# Altium PCB DMB.PcbDoc (continued)
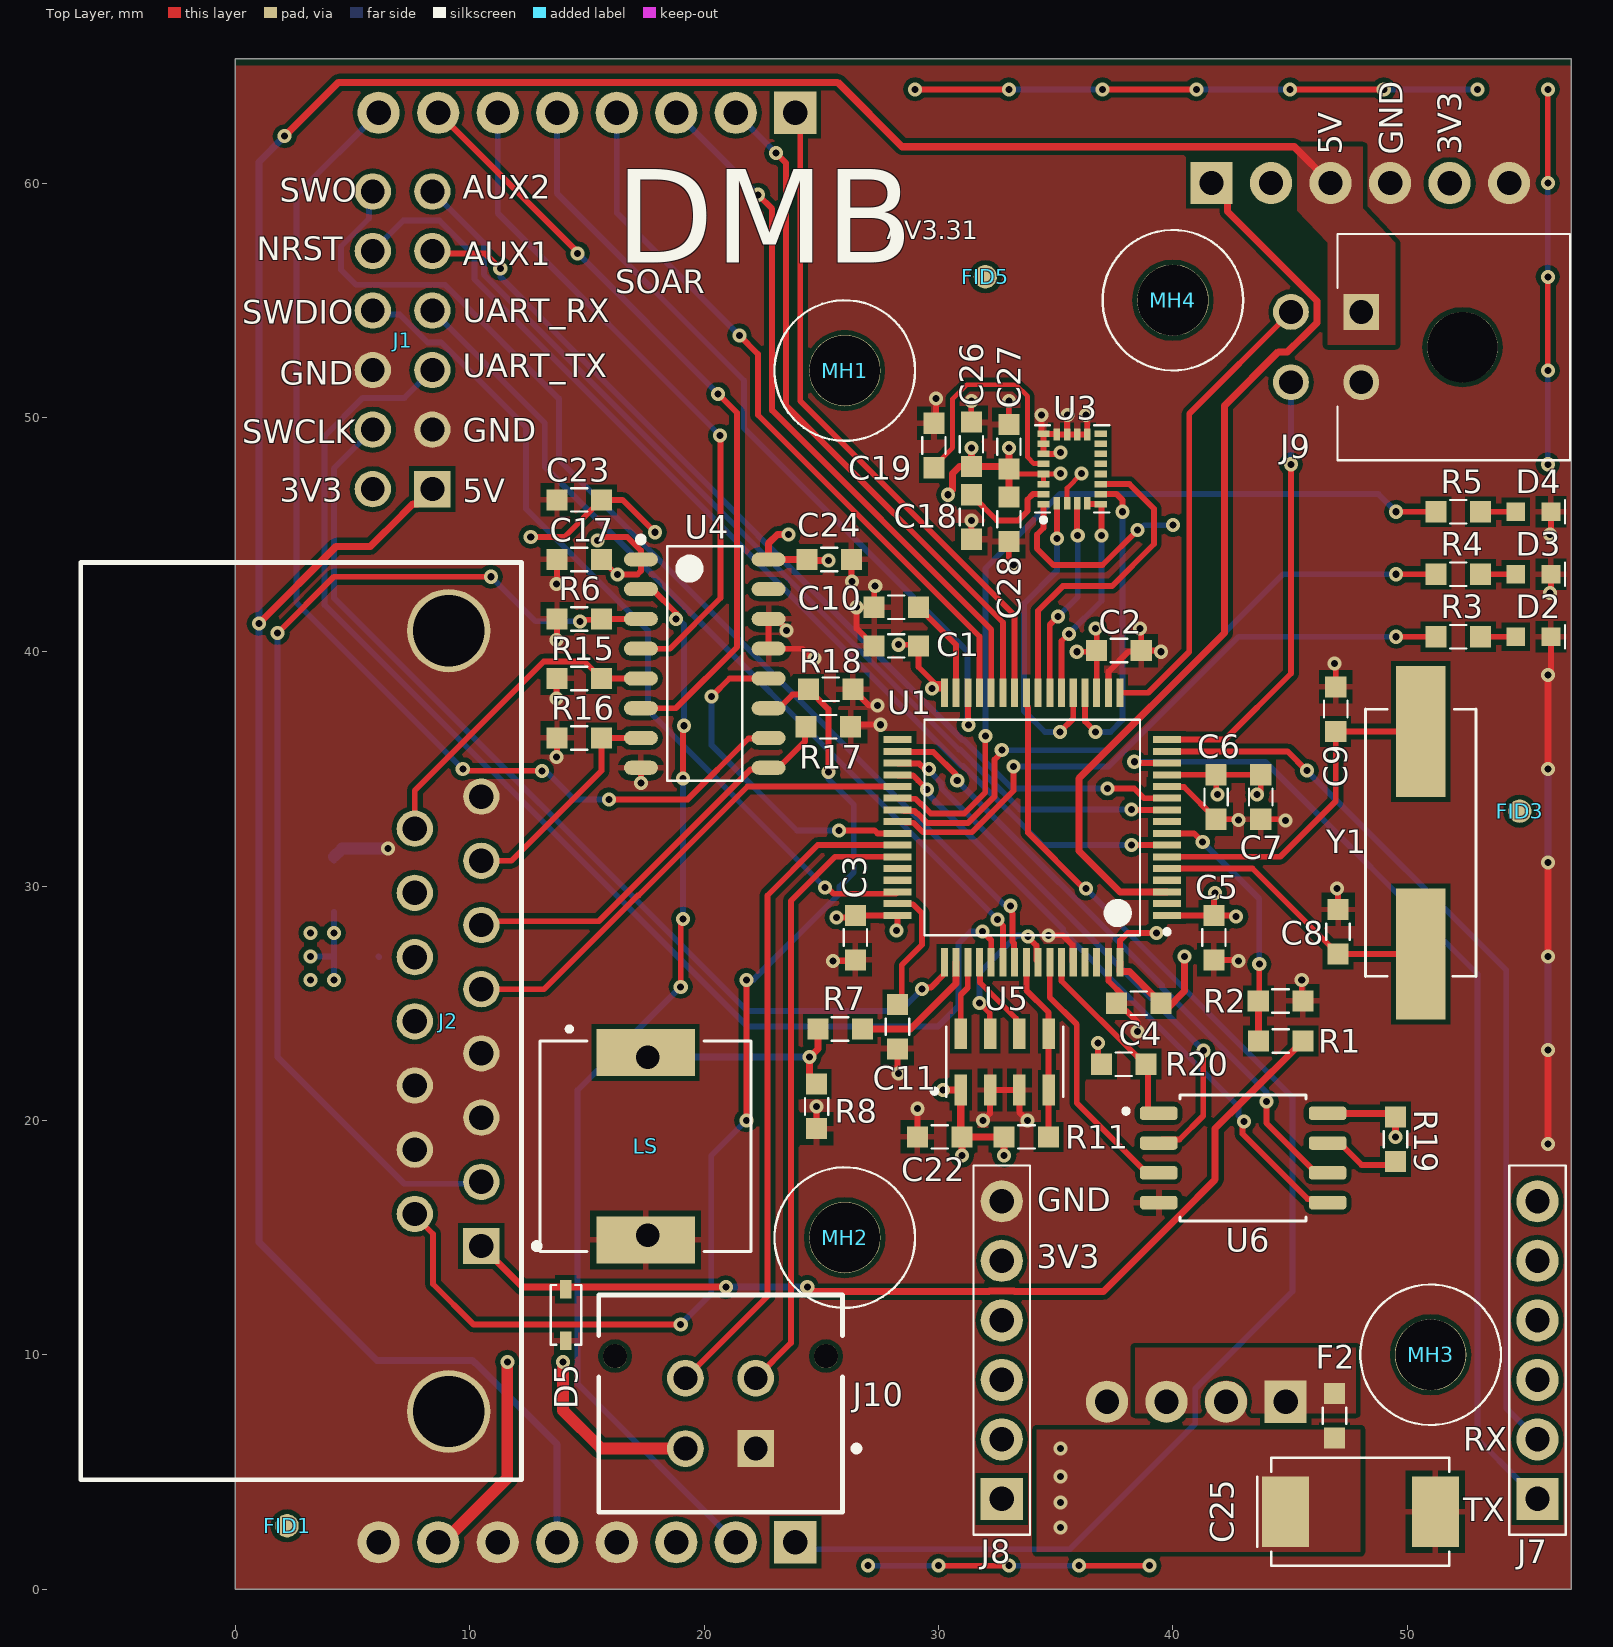
[diagram p0: Top Layer view]
## Part data (continued)
J10: "Checked Conn Header 4 POS 3mm Solder ST Thru-Hole 4 Terminal 1 Port Micro-Fit 3.0 Tray Headers and Wire Housings 0.735"
LS: "9 mm, 25 Vp-p Vdc, 65 dB, Surface Mount _SMT_, Piezo Audio Transducer Buzzer", Package=SIP-1, Availability=Unavailable, MF="CUI Devices", MP=CPT-9019S-SMT-TR, Price=None, SnapEDA_Link=https://www.snapeda.com/parts/CPT-9019S-SMT-TR/CUI%20Devices/view-part/563283/?ref=snap
MH1 MH2 MH3 MH4: "#4 Screw, 0.116in Diameter"
R1: "RES SMD 30K OHM 1% 1/10W 0603", Manufacturer=Yageo, Operating Temperature="-55°C ~ 155°C", Package="0603 (1608 Metric)", Power  (W)=0.1W, Resistance=30K, Supplier Part Number 1=311-30.0KHRCT-ND, Temperature Coefficient=±100ppm/°C, Tolerance=±1%, ComponentLink1Description=Datasheet, ComponentLink1URL=https://www.yageo.com/upload/media/product/productsearch/datasheet/rchip/PYu-RC_Group_51_RoHS_L_10.pdf, Composition="Thick Film", Manufacturer Part Number=RC0603FR-0730KL, Supplier 1=Digi-Key
R2 R6 R11 R15 R16 R17 R18: "RES SMD 10K OHM 5% 1/10W 0603", Manufacturer="Panasonic Electronic Components", Operating Temperature="-55°C ~ 155°C", Package="0603 (1608 Metric)", Power  (W)=0.1W, Resistance=10K, Supplier Part Number 1=P10KGCT-ND, Temperature Coefficient=±200ppm/°C, Tolerance=±5%, ComponentLink1Description=Datasheet, ComponentLink1URL=https://industrial.panasonic.com/cdbs/www-data/pdf/RDA0000/DMA0000COL11.pdf, ComponentLink2Description="Land Pattern", ComponentLink2URL=https://industrial.panasonic.com/cdbs/www-data/pdf/RDA0000/DMA0000COL17.pdf, Composition="Thick Film", Manufacturer Part Number=ERJ-3GEYJ103V, Supplier 1=Digi-Key
R3 R4 R5 R7 R8: "RES SMD 330 OHM 1% 1/10W 0603", Manufacturer="Samsung Electro-Mechanics", Operating Temperature="-55°C ~ 155°C", Package="0603 (1608 Metric)", Power  (W)=0.1W, Resistance=330, Supplier Part Number 1=1276-4604-2-ND, Temperature Coefficient=±100ppm/°C, Tolerance=±1%, ComponentLink1Description=Datasheet, ComponentLink1URL=http://www.samsungsem.com/kr/support/product-search/chip-resistor/__icsFiles/afieldfile/2019/01/21/RC_Spec_Sheet(1901).pdf, Composition="Thick Film", Manufacturer Part Number=RC1608F331CS, Supplier 1=Digi-Key
R19 R20: "RES SMD 6.49KOHM 0.5% 1/10W 0603", Manufacturer=Yageo, Operating Temperature="-55°C ~ 155°C", Package="0603 (1608 Metric)", Power  (W)=0.1W, Resistance=6.49K, Supplier Part Number 1=311-2658-1-ND, Temperature Coefficient=±500ppm/°C, Tolerance=±0.5%, ComponentLink1Description=Datasheet, ComponentLink1URL=https://4donline.ihs.com/images/VipMasterIC/IC/YAGO/YAGO-S-A0008510989/YAGO-S-A0008510989-1.pdf?hkey=52A5661711E402568146F3353EA87419, Composition="Thick Film", Manufacturer Part Number=RT0603DRE076K49L, Supplier 1=Digi-Key
U1: "IC MCU 32BIT 1MB FLASH 64LQFP", Manufacturer=STMicroelectronics, Operating Temperature="-40°C ~ 85°C (TA)", Package / Case=64-LQFP, Supplier Part Number 1=497-11767-ND, Voltage - Supply (VDD)="1.8V ~ 3.6V", ComponentLink1Description=Datasheet, ComponentLink1URL=https://www.st.com/content/ccc/resource/technical/document/datasheet/ef/92/76/6d/bb/c2/4f/f7/DM00037051.pdf/files/DM00037051.pdf/jcr:content/translations/en.DM00037051.pdf, Connectivity="CANbus, I²C, IrDA, LINbus, SPI, UART/USART, USB OTG", Core Processor="ARM® Cortex®-M4", Core Size=32-Bit, Data Converters="A/D 16x12b; D/A 2x12b", Manufacturer Part Number=STM32F405RGT6, Mounting Type="Surface Mount", Number of I/O=51, Oscillator Type=Internal, Peripherals="Brown-out Detect/Reset, DMA, I²S, LCD, POR, PWM, WDT", Program Memory Size="1MB (1M x 8)", Program Memory Type=FLASH, RAM Size="192K x 8", Speed=168MHz, Supplier 1=Digi-Key
U3: "IMU ACCEL/GYRO/MAG I2C/SPI 24LGA", Manufacturer=STMicroelectronics, Operating Temperature="-40°C ~ 85°C (TA)", Package / Case="24-TFLGA Module", Supplier Device Package="24-LGA (3x3.5)", Supplier Part Number 1=497-14946-1-ND, ComponentLink1Description=Datasheet, ComponentLink1URL=https://www.st.com/content/ccc/resource/technical/document/datasheet/1e/3f/2a/d6/25/eb/48/46/DM00103319.pdf/files/DM00103319.pdf/jcr:content/translations/en.DM00103319.pdf, Manufacturer Part Number=LSM9DS1TR, Mounting Type="Surface Mount", Output Type="I²C, SPI", Sensor Type="Accelerometer, Gyroscope, Magnetometer, Temperature, 9 Axis", Supplier 1=Digi-Key
U4: "IC TRNSLTR UNIDIRECTIONAL 16SOIC", Manufacturer="ON Semiconductor", Supplier Part Number 1=MC14504BDR2GOSCT-ND, ComponentLink1Description=Datasheet, ComponentLink1URL=https://www.onsemi.com/pub/Collateral/MC14504B-D.PDF, Manufacturer Part Number=MC14504BDR2G, Supplier 1=Digi-Key
U5: "BAROMETRIC PRESSURE SENSOR", Digi-Key Part Number=223-1198-1-ND, Manufacturer="TE Connectivity Measurement Specialties", Operating Pressure="0.15PSI ~ 17.4PSI (1kPa ~ 120kPa)", Operating Temperature="-40°C ~ 85°C", Package / Case=8-SMD, Voltage - Supply="1.8V ~ 3.6V", Accuracy="±0.022PSI (±0.15kPa)", ComponentLink1Description=Datasheet, ComponentLink1URL=https://www.te.com/commerce/DocumentDelivery/DDEController?Action=srchrtrv&DocNm=MS5607-02BA03&DocType=Data+Sheet&DocLang=English, Manufacturer Part Number=MS560702BA03-50, Maximum Pressure="87.02PSI (600kPa)", Output="24 b", Output Type="I²C, SPI", Pressure Type=Absolute, Supplier 1=Digi-Key, Supplier Part Number 1=223-1198-1-ND, Termination Style="SMD (SMT) Tab"
U6: "FLASH - NOR Memory IC 16Mb _2M x 8_ SPI - Quad I/O 133MHz 8-SOIC", Package="SOIC-8 Winbond", Availability=Unavailable, MF="Winbond Electronics", MP=W25Q16JVSSIQ, Price=None, SnapEDA_Link=https://www.snapeda.com/parts/W25Q16JVSSIQ/Winbond%20Electronics/view-part/618098/?ref=snap
Y1: "CRYSTAL 8.0000MHZ 18PF SMD", ESR (Equivalent Series Resistance)="80 Ohms", Frequency Stability=±50ppm, Frequency Tolerance=±20ppm, Load Capacitance=18pF, Manufacturer="Abracon LLC", Operating Mode=Fundamental, Operating Temperature="-20°C ~ 70°C", Package/Case=HC-49/US, Supplier Part Number 1=535-9089-1-ND, ComponentLink1Description=Datasheet, ComponentLink1URL=https://abracon.com/Resonators/abls.pdf, ComponentLink2Description=Drawing, ComponentLink2URL=https://abracon.com/Support/PackageDrawing/Resonators/ABLS-2D.pdf, Height - Seated (Max)="0.165\" (4.20mm)", Mounting Type="Surface Mount", Packaging="Cut Tape(CT)", Series=ABLS, Size / Dimension="0.449\" L x 0.185\" W (11.40mm x 4.70mm)", Supplier 1=Digi-Key, Type="MHz Crystal"

## Via types
v1: diameter 0.6, hole 0.3, Top Layer to Bottom Layer, tented both sides, 170 vias
v2: diameter 1.4, hole 1, Top Layer to Bottom Layer, tented both sides, 2 vias

## Nets (pads, with @x,y where several pads share a name; then routed paths per layer and width w, separated by ;. In a path a pad name is that pad's centre, name@x,y a point inside that pad or via, vN(x,y) a via of type N, cw(c..) or ccw(c..) an arc to the next point about the centre after c; other vN are vias at no path point)
+3V3: C1.2 C2.2 C3.2 C4.2 C5.2 C6.2 C7.2 C22.2 C24.2 C26.2 C27.2 C28.2 J1.2 J4.5 J5.7 J8.5 J10.2 R11.2 R19.2 R20.2 U1.1 U1.13 U1.19 U1.32 U1.48 U1.64 U3.1 U3.3 U3.22 U3.23 U4.16 U5.1 U6.8 | length 80.5
  Top Layer w0.2: C27.2 33.215,47.585 U3.22 ; U3.23 U3.22 ; v1(35.2,47.6) 35.185,47.585 U3.22 ; U3.3 35.485,46.985 v1(36.1,47.6)
  Top Layer w0.25: v1(25.642,28.658) 26.356,28.658 C3.2 26.452,28.75 U1.48 28.25,28.218 28.2,28.168 v1(28.2,28.1) ; v1(28.3,40.3) 29.102,40.3 C1.2 29.15,39.35 29.872,38.629 30.225,38.629 30.25,38.604 U1.32@30.25,38.4 ; v1(29.725,38.425) 30.225,38.425 U1.32@30.25,38.4 ; U1.32 U1.32@30.25,38.4 ; U3.1 34.48,45.28 34.2,45 34.2,44.4 34.9,43.7 37,43.7 v1(38.5,45.2) ; v1(35.9,40) 36.698,40 C2.2 ; v1(36.7,41) 36.75,40.95 C2.2 ; U1.19 C2.2 ; R20.2@36.8,22.735 v1(36.8,23.3) ; U1.64 37.75,27.677 38.073,28 v1(39.3,28) ; U1.1 41.748,28.75 C5.2 ; U1.13 41.848,34.75 C6.2 ; v1(41.8,29.7) 41.8,29.632 41.75,29.582 C5.2 ; v1(41.9,33.9) 41.85,33.95 C6.2 ; v1(42.7,28.7) 42.632,28.7 42.58,28.752 C5.2 ; v1(43.6,33.9) 43.75,34.05 C7.2 C6.2
  Top Layer w0.3: J5.7 J5.7@8.873,2 ; v1(23.6,45) 23.122,45 22.75,44.628 U4.16 22.752,43.942 C24.2 C24.2@24.563,43.763 ; C24.2@24.515,43.715 C24.2@24.563,43.763 ; v1(25.3,43.9) 24.7,43.9 C24.2@24.563,43.763 ; v1(30.2,21.3) U5.1 30.95,19.35 C22.2 ; v1(30.4,46.7) 30.6,46.9 30.6,47.6 30.9,47.9 C26.2 ; v1(31,18.5) C22.2 ; v1(31.4,48.7) C26.2 ; v1(32.8,18.5) R11.2 C22.2 ; C28.2 C27.2 ; v1(33,48.7) C27.2 ; U1.64 37.75,26.357 38.143,26.357 39.2,25.3 C4.2 39.742,24.758 40.5,25.516 v1(40.5,27) ; U6.8 49.345,20.305 R19.2 v1(49.5,19.3) ; C26.2 32.9,47.9 C27.2
  Top Layer w0.5: J5.7@8.873,2 11.6,4.727 v1(11.6,9.7) ; v1(13.975,9.7) 13.975,7.625 15.6,6 J10.2
  Bottom Layer w0.25: v1(38.5,45.2) 38.568,45.2 38.768,45.4 v1(40,45.4)
+5V: J1.1 J4.3 J5.5 J9.1 | length 125.3
  Top Layer w0.3: v1(1,41.2) 4.3,44.5 5.766,44.5 7.1,45.834 7.1,45.845 7.57,46.315 7.775,46.315 J1.1 ; v1(2.1,62) 4.4,64.3 25.7,64.3 28.45,61.55 45.18,61.55 J4.3
  Bottom Layer w0.3: v1(2.1,62) 1,60.9 v1(1,41.2) 1,14.8 6.043,9.757 10.116,9.757 10.221,9.653 10.248,9.653 13.73,6.17 J5.5
+12: C17.2 C23.2 C25.1 D1.1 F1.1 F2.1 J5.3 U4.1 | length 15.5
  Top Layer w0.25: v1(12.6,44.9) 14.039,44.9 C23.2 16.518,46.482 v1(17.9,45.1) ; v1(15.456,44.756) 15.6,44.9 16.72,44.9 17.3,44.32 U4.1 17.3,43.446 17.154,43.3 v1(16.3,43.3) 16.263,43.3 C17.2
  Bottom Layer w0.25: v1(3.2,27) F1.1 ; v1(4.2,26) F1.1 ; D1.1 v1(4.2,28) F1.1
  other v1: 35.2,2.625 35.2,3.7 35.2,4.8 35.2,6 3.2,26 3.2,28
A/G_C\S\: U1.20 U3.7 | length 13.6
  Top Layer w0.25: U1.20 36.25,37.029 v1(36.703,36.576) ; U3.7 37.603,46.725 37.846,46.482 v1(37.846,45.974)
  Bottom Layer w0.25: v1(36.703,36.576) 37.338,36.576 37.846,37.084 v1(37.846,45.974)
AUDIO: R7.1 U1.50 | length 5.7
  Top Layer w0.3: R7.1 28.8,23.9 30.75,25.85 U1.50
AUX1: J1.9 U1.11 | length 41.2
  Top Layer w0.25: J1.9 8.513,56.987 10.663,56.987 v1(11.3,56.35) ; v1(37.211,34.163) 38.354,34.163 38.767,33.75 U1.11
  Bottom Layer w0.25: v1(11.3,56.35) 11.3,56 13.506,53.794 13.506,53.759 31.039,36.227 31.089,36.227 33.152,34.163 v1(37.211,34.163)
AUX2: J1.11 U1.10 | length 43.1
  Top Layer w0.25: v1(38.227,33.274) 38.251,33.25 U1.10
  Bottom Layer w0.25: J1.11 10.6,57.44 10.6,56.1 30.873,35.827 30.923,35.827 31.995,34.754 33.475,33.274 v1(38.227,33.274)
AV_PROP1: J6.3 U1.28 | length 30.3
  Top Layer w0.25: v1(22.3,59.5) 22.9,58.9 22.9,50.3 32.25,40.95 U1.28
  Bottom Layer w0.25: J6.3 v1@22.305,59.505
AV_PROP2: J6.4 U1.29 | length 31.2
  Top Layer w0.25: v1(21.5,53.5) 22.3,52.7 22.3,50.1 31.75,40.65 U1.29
  Bottom Layer w0.25: J6.4 16.27,58.73 v1(21.5,53.5)
AV_PROP3: J6.5 U1.30 | length 34.8
  Top Layer w0.25: J6.5@13.716,62.987 J6.5 ; U1.30 31.265,38.235 31.265,36.884 v1(31.281,36.869)
  Bottom Layer w0.25: J6.5 13.716,62.987 13.716,59.563 21.7,51.579 21.7,49.542 31.242,40 31.242,36.908 v1(31.281,36.869)
BARO_C\S\: R11.1 U1.56 U5.4 U5.5 | length 7.8
  Top Layer w0.25: U1.56 33.75,25.559 34.7,24.609 U5.5 U5.4 R11.1
CS!: R20.1 U1.59 U6.1 | length 8.4
  Top Layer w0.25: U1.59 35.25,25.95 38.475,22.725 38.525,22.725 38.932,22.318 38.932,20.468 39.096,20.305 U6.1
GND: C1.1 C2.1 C3.1 C4.1 C5.1 C6.1 C7.1 C8.2 C9.2 C10.1 C11.1 C17.1 C18.1 C19.1 C22.1 C23.1 C24.1 C25.2 C26.1 C27.1 C28.1 D1.2 D2.1 D3.1 D4.1 D5.2 J1.3 J1.6 J2.3 J2.4 J2.8 J2.10 J2.11 J2.MH1 J2.MH2 J3.2 J3.4 J4.4 J4.6 J5.4 J5.6 J5.8 J8.6 J9.2 J10.1 LS.2 R2.1 R6.1 R8.2 R15.1 R16.1 R17.1 R18.1 U1.12 U1.18 U1.60 U1.63 U3.14 U3.15 U3.16 U3.17 U3.18 U3.19 U3.20 U4.8 U4.13 U4.14 U5.2 U5.3 U6.4 | length 79.3
  Top Layer w0.25: J2.4 J2.4@10.632,23 ; v1(13.7,35.5) 13.721,35.521 R16.1 ; v1(13.7,38) 13.707,38.007 13.707,38.848 R15.1 ; v1(13.7,40.5) 13.721,40.521 R6.1 ; v1(13.7,42.9) 13.721,42.921 C17.1 ; v1(17.3,34.4) U4.8 ; v1(23.508,40.908) 23.508,40.988 23.096,41.4 U4.14 U4.13 24.191,40.13 24.613,39.708 v1(24.708,39.708) ; R8.2 v1(24.8,20.6) ; v1(25.5,26.8) 26.398,26.8 C3.1 ; R17.1@26.2,36.8 26.3,36.9 27.516,36.9 v1(27.531,36.886) ; C24.1 26.284,43.016 v1(26.3,43) ; R18.1 27.05,37.7 v1(27.4,37.7) ; v1(26.5,41.9) 26.505,41.895 26.505,40.997 C1.1 ; C10.1 27.255,41.905 27.255,42.755 v1(27.3,42.8) ; C11.1 28.25,22.05 v1(28.3,22) ; C22.1 v1(29.1,20.5) ; C19.1@29.6,49.8 29.625,49.8 29.9,50.075 v1(29.9,50.8) ; C18.1 v1(31.4,45.6) ; C26.1 v1(31.4,50.7) ; v1(31.9,20) 32.2,20.3 U5.2 U5.3 33.45,20.35 v1(33.8,20) ; C28.1 33,43.962 33.2,43.762 v1(33.2,43.7) ; C27.1 v1(33,50.7) ; v1(34.4,50.1) 34.4,49.32 34.415,49.305 U3.18 ; v1(34.7,27.9) 35.3,27.9 35.7,27.5 35.725,27.5 35.725,26.775 U1.60 ; v1(35.2,48.5) 35.145,48.445 U3.20 U3.19 U3.18 ; v1(35.5,50.1) 35.485,50.085 U3.16 ; v1(36.3,50.1) 36.345,50.055 U3.14 U3.15 U3.16 ; U1.63 37.25,25.95 C4.1@37.9,25.3 ; U1.18 37.25,39.15 38.1,40 38.598,40 C2.1 ; C4.1 37.925,24.675 38.013,24.675 38.5,24.188 v1(38.5,23.8) ; v1(38.6,41) 38.6,40.932 38.65,40.882 C2.1 ; v1(39.5,40) 39.448,40.052 C2.1 ; U1.12 39.775,34.225 40.477,34.225 C6.1 42.758,32.852 v1(42.798,32.812) ; C5.1 42.748,26.852 v1(42.8,26.8) ; C7.1 44.748,32.852 v1(44.8,32.8) ; v1(45.5,26) 45.5,25.146 R2.1 ; v1(46.9,39.5) 46.95,39.45 C9.2 ; v1(47,29.904) 47.047,29.857 47.047,29.005 C8.2 ; v1(56,39) 56,39.068 56.134,39.202 D2.1 ; v1(56.1,42.5) 56.134,42.534 D3.1 ; v1(56.1,45) 56.134,45.034 D4.1 ; U3.18 34.495,49.29 35.04,49.29 35.055,49.275 U3.17 U3.16
  Top Layer w0.3: v1(56,19) v1(56,23) ; v1(56,27) v1(56,31) ; v1(56,35) v1(56,39)
  Bottom Layer w0.25: D1.2 D1.2@4.2,31.25
  Bottom Layer w0.3: v1(56,23) v1(56,27) ; v1(56,31) v1(56,35)
  Bottom Layer w0.5: D1.2@4.2,31.25 4.55,31.6 v1(6.5,31.6)
  other v2: 17.6,15.1
GS_PROP1: J6.6 U4.4 | length 28.9
  Top Layer w0.25: U4.4 18.54,40.13 20.701,42.291 20.701,49.199 v1(20.676,49.224)
  Bottom Layer w0.25: J6.6 11.19,58.71 v1(20.676,49.224)
GS_PROP1_12V: J2.15 R15.2 U4.5 | length 13.9
  Top Layer w0.25: J2.15 7.652,34.082 13.157,39.587 14.896,39.587 R15.2 17.298,38.862 U4.5
GS_PROP2: J6.7 U4.6 | length 33.3
  Top Layer w0.25: J6.7 14.6,57.05 v1(14.6,57) ; U4.6 18.794,37.59 21.4,40.196 21.4,50.2 v1(20.6,51)
  Bottom Layer w0.25: v1(14.6,57) v1(20.6,51)
GS_PROP2_12V: J2.7 R16.2 U4.7 | length 9.8
  Top Layer w0.25: J2.7 11.78,31.08 14.2,33.5 15.621,34.921 R16.2 R16.2 U4.7@17.3,36.32
GS_PROP3: J6.8 U4.10 | length 47.1
  Top Layer w0.25: v1(9.7,35) 9.78,34.92 v1(13.08,34.92) ; v1(15.933,33.7) 19.3,33.7 21.895,36.295 22.725,36.295 U4.10
  Bottom Layer w0.25: J6.8 2.6,59.49 2.6,42.1 v1(9.7,35) ; v1(13.08,34.92) 13.23,34.92 14.45,33.7 v1@15.9,33.7 ; v1@15.9,33.7 v1(15.933,33.7)
GS_PROP3_12V: J2.6 R17.2 U4.9 | length 17.7
  Top Layer w0.25: J2.6 10.652,28.5 15.5,28.5 21.983,34.983 23.108,34.983 24.3,36.175 24.3,36.75 R17.2
KLB_CTRL: J2.5 U1.37 | length 21.3
  Top Layer w0.25: J2.5 13.166,25.6 17.166,29.6 17.2,29.6 21.85,34.25 U1.37
LAUNCH: U1.41 U4.12 | length 14.3
  Top Layer w0.25: v1(20.32,38.1) 21.08,38.86 U4.12 ; v1(25.759,32.375) 27.275,32.375 27.4,32.25 U1.41
  Bottom Layer w0.25: v1(20.32,38.1) 20.32,36.013 23.958,32.375 v1(25.759,32.375)
LAUNCH_12V: J2.9 R18.2 U4.11 | length 47.8
  Top Layer w0.25: J2.9 7.652,15.93 8.426,15.157 8.426,13.025 10.15,11.3 v1(19,11.3) ; v1(21.8,20) v1(21.8,26) ; U4.11 23.19,37.59 23.771,38.171 24.221,38.171 R18.2 25.3,37.55 v1(25.3,34.875)
  Bottom Layer w0.25: v1(19,11.3) 20.3,12.6 20.3,18.5 v1(21.8,20) ; v1(21.8,26) 22.1,26 25.783,29.683 25.783,29.983 26.384,30.584 26.384,33.484 25.3,34.568 v1(25.3,34.875)
LED1: R3.2 U1.40 | length 26.9
  Top Layer w0.25: U1.40@28.575,32.725 28.595,32.705 28.934,32.705 29.339,32.3 31.431,32.3 33.2,34.069 v1(33.2,35.1) ; v1(49.53,40.64) R3.2
  Bottom Layer w0.25: v1(33.2,35.1) 37.259,35.1 42.799,40.64 v1(49.53,40.64)
LED2: R4.2 U1.39 | length 28.3
  Top Layer w0.25: U1.39@28.5,33.2 28.982,33.2 29.077,33.105 29.1,33.105 29.505,32.7 31.266,32.7 32.395,33.829 32.395,35.4 32.7,35.705 v1(32.7,35.8) ; v1(49.53,43.307) R4.2
  Bottom Layer w0.25: v1(32.7,35.8) 37.197,35.8 44.704,43.307 v1(49.53,43.307)
LED3: R5.2 U1.38 | length 34.8
  Top Layer w0.25: U1.38 28.275,33.725 29.023,33.725 29.243,33.505 29.265,33.505 29.67,33.1 31.1,33.1 31.995,33.995 31.995,36.395 v1(32,36.4) ; v1(49.53,45.974) R5.2
  Bottom Layer w0.25: v1(32,36.4) 32,43.557 35.179,46.736 48.768,46.736 v1(49.53,45.974)
MAG_C\S\: U1.24 U3.8 | length 13.8
  Top Layer w0.25: U1.24 34.25,41.75 35.3,42.8 37.4,42.8 39.2,44.6 39.2,46.1 38.145,47.155 U3.8
MAINBAT: D5.1 J2.1 R1.2 | length 41.6
  Top Layer w0.3: J2.1 12.247,12.885 v1(20.925,12.885) ; v1(24.4,12.9) 24.481,12.9 24.681,12.7 32.162,12.7 32.182,12.72 33.218,12.72 33.238,12.7 37.034,12.7 40.239,15.905 41.806,17.472 41.806,19.652 43.004,20.85 R1.2
  Bottom Layer w0.3: v1(20.925,12.885) 20.94,12.9 v1(24.4,12.9)
MEM_WP: U1.58 U6.3 | length 11.2
  Top Layer w0.25: U1.58 34.75,25.25 35.9,24.1 35.9,20.745 38.88,17.765 U6.3
NetC8_1: C8.1 U1.5 Y1.2 | length 12.3
  Top Layer w0.25: U1.5 43.402,30.75 C8.1 Y1.2
NetC9_1: C9.1 U1.6 Y1.1 | length 14.8
  Top Layer w0.25: U1.6 44.585,31.25 46.95,33.615 C9.1 Y1.1
NetC10_2: C10.2 U1.31 | length 4.3
  Top Layer w0.25: C10.2 30.75,40.3 U1.31
NetC11_2: C11.2 U1.47 | length 5.5
  Top Layer w0.25: C11.2 28.431,25.132 28.431,26.631 29.3,27.5 29.3,28.839 28.914,29.225 28.275,29.225 U1.47
NetC18_2: C18.2 U3.24 | length 4.3
  Top Layer w0.25: C18.2 32.5,45.6 33.4,45.6 33.8,46 33.8,46.5 34.025,46.725 U3.24
NetC19_2: C19.2 U3.21 | length 10.5
  Top Layer w0.2: C19.2@29.6,47.9 29.8,47.9 30.6,48.7 30.6,50.8 31.2,51.4 33.3,51.4 33.8,50.9 33.8,48.3 34.068,48.032 34.463,48.032 U3.21
NetD2_2: D2.2 R3.1 | length 1.5
  Top Layer w0.25: R3.1 D2.2
NetD3_2: D3.2 R4.1 | length 1.5
  Top Layer w0.25: R4.1 D3.2
NetD4_2: D4.2 R5.1 | length 1.5
  Top Layer w0.25: R5.1 D4.2
NetF1_2: F1.2 J2.12 J2.13 J2.14 | length 0
  Bottom Layer w0.25: F1.2 F1.2@6.13,26.97
NetF2_2: F2.2 J3.1 J3.3
NetLS_1: LS.1 R7.2 R8.1 | length 9.5
  Top Layer w0.3: R8.1 24.5,21.85 v1(24.5,22.7) 24.85,23.05 R7.2
  Bottom Layer w0.3: v2(17.6,22.7) v1(24.5,22.7)
NetR1_1: R1.1 R2.2 U1.8 | length 11
  Top Layer w0.25: U1.8 40.902,32.25 v1(41.275,31.877) ; R2.2@43.688,25.294 v1(43.688,26.67)
  Top Layer w0.3: R2.2 43.65,25.096 R1.1
  Bottom Layer w0.25: v1(41.275,31.877) 43.688,29.464 v1(43.688,26.67)
NetR19_1: R19.1 U6.7 | length 3.3
  Top Layer w0.25: U6.7 47.12,19.035 48.055,18.1 49.35,18.1 R19.1
NRST: J1.10 U1.7 | length 46.1
  Top Layer w0.25: v1(38.227,31.75) U1.7
  Bottom Layer w0.25: J1.10 7.16,58.4 8.7,58.4 10.2,56.9 10.2,55.9 30.975,35.125 31.059,35.125 31.595,34.589 34.434,31.75 v1(38.227,31.75)
PMB_GPIO1: J4.1 U1.3 | length 39.1
  Top Layer w0.3: U1.3 37.75,29.75 36,31.5 36,34.6 42.2,40.8 42.2,50.5 44.5,52.8 44.9,52.8 45.485,53.385 45.502,53.385 46.155,54.038 46.155,54.962 42.33,58.787 42.33,59.27 J4.1@41.72,59.88
PS1: J5.1 U1.25 | length 57.1
  Top Layer w0.25: U1.25 33.775,38.225 33.775,37.678 33.825,37.629 33.825,32.275 36.208,29.892 v1(36.292,29.892)
  Bottom Layer w0.25: J5.1 24.19,1.7 35.6,1.7 40.955,7.055 40.955,8.555 45.1,12.7 45.1,21 37.7,28.4 37.7,28.484 v1(36.292,29.892)
PS2: J6.1 U1.26 | length 28.6
  Top Layer w0.25: J6.1 24.1,62.79 24.1,50.7 33.25,41.55 U1.26
PS3: J6.2 U1.27 | length 29.5
  Top Layer w0.25: v1(23.075,61.275) 23.5,60.85 23.5,50.5 32.75,41.25 U1.27
  Bottom Layer w0.25: J6.2 v1(23.075,61.275)
SOL_CTRL: J5.2 U4.2 | length 46.5
  Top Layer w0.25: U4.2 17.782,42.67 18.822,41.63 18.822,41.422 v1(18.806,41.406) ; v1(19,25.7) 19,28.405 19.1,28.505 v1(19.1,28.6) ; v1(19.1,34.6) 19.1,36.8 v1(19.142,36.842)
  Bottom Layer w0.25: v1(18.806,41.406) 18.9,41.406 19.142,41.163 v1(19.142,36.842) ; v1(19,25.7) 14.6,21.3 14.6,8.75 J5.2 ; v1(19.1,28.6) v1(19.1,34.6)
SOL_CTRL_12V: J2.2 R6.2 U4.3 | length 46.8
  Top Layer w0.25: v1(1.8,40.8) 4.2,43.2 v1(10.9,43.2) ; v1(14.7,41.3) 14.768,41.3 14.833,41.366 15.585,41.366 R6.2 17.298,41.402 U4.3
  Bottom Layer w0.25: v1(1.8,40.8) 1.8,22.7 7.2,17.3 10.412,17.3 J2.2@10.795,17.682 ; v1(10.9,43.2) 12.8,41.3 v1(14.7,41.3)
SPI1_MISO: U1.22 U3.5 U3.6 | length 9.4
  Top Layer w0.25: U1.22 35.25,40.457 v1(35.56,40.767) ; U3.5 36.345,46.325 36.36,46.31 36.905,46.31 U3.6 36.942,46.295 36.957,46.28 v1(36.957,44.958)
  Bottom Layer w0.25: v1(35.56,40.767) 36.957,42.164 v1(36.957,44.958)
SPI1_MOSI: U1.23 U3.4 | length 8.6
  Top Layer w0.25: U1.23 34.75,41.15 v1(35.1,41.5) ; U3.4 35.915,44.984 v1(35.941,44.958)
  Bottom Layer w0.25: v1(35.1,41.5) 35.941,42.341 v1(35.941,44.958)
SPI1_SCK: U1.21 U3.2 | length 13.2
  Top Layer w0.25: v1(35.052,44.831) 35.052,46.327 U3.2 ; v1(35.179,36.576) 35.75,37.147 U1.21
  Bottom Layer w0.25: v1(35.052,44.831) 35.052,43.452 33.655,42.055 33.655,37.465 34.544,36.576 v1(35.179,36.576)
SPI2_MISO: U1.35 U6.2 | length 23.5
  Top Layer w0.25: U1.35 28.275,35.225 29.18,35.225 29.405,35 v1(29.6,35) ; U6.2 39.545,19.185 40.285,19.185 41.3,20.2 v1(41.3,22.975)
  Bottom Layer w0.25: v1(29.6,35) 29.6,34.918 30.127,34.392 30.127,34.173 41.3,23 v1(41.3,22.975)
SPI2_MOSI: U1.36 U6.5 | length 26.7
  Top Layer w0.25: U1.36 28.275,34.725 28.914,34.725 29.125,34.514 29.125,34.509 29.5,34.134 29.5,34.132 v1(29.502,34.13) ; v1(43.037,19.963) 42.97,19.896 42.97,19.43 45.752,16.648 46.452,16.648 U6.5
  Bottom Layer w0.25: v1(29.502,34.13) 29.502,33.982 35.325,28.159 35.325,28.066 42.8,20.591 42.8,20.2 v1(43.037,19.963)
SPI2_SCK: U1.34 U6.6 | length 26.7
  Top Layer w0.25: U1.34@28.275,35.725 29.775,35.725 30.733,34.767 30.733,34.567 v1(30.8,34.5) ; v1(44,20.8) 44,19.884 46.025,17.859 46.025,17.83 46.09,17.765 U6.6
  Bottom Layer w0.25: v1(30.8,34.5) 39.533,25.767 39.533,25.667 44,21.2 v1(44,20.8)
SPI3_MISO: U1.52 U5.6 | length 3.8
  Top Layer w0.25: U1.52 31.775,26.725 31.775,25.883 33.31,24.348 33.31,23.84 U5.6
SPI3_MOSI: U1.57 U5.7 | length 6.8
  Top Layer w0.25: v1(31.75,25.019) 32.185,24.584 32.185,23.715 U5.7 ; v1(33.822,27.85) 33.822,27.817 34.175,27.464 34.175,26.825 U1.57
  Bottom Layer w0.25: v1(31.75,25.019) 31.75,26.305 33.331,27.886 33.786,27.886 v1(33.822,27.85)
SPI3_SCK: U1.51 U5.8 | length 3.2
  Top Layer w0.25: U5.8 30.95,25.362 31.25,25.662 U1.51
SWCLK: J1.4 U1.49 | length 42.4
  Top Layer w0.25: v1(29.3,25.6) 29.367,25.667 29.667,25.667 30.225,26.225 30.225,26.725 U1.49
  Bottom Layer w0.25: J1.4 4.2,47.82 4.2,42.3 21.825,24.675 28.375,24.675 v1(29.3,25.6)
SWDIO: J1.8 U1.46 | length 36.8
  Top Layer w0.25: v1(25.158,29.942) 25.253,29.942 25.52,29.675 28.175,29.675 U1.46
  Bottom Layer w0.25: J1.8 6.026,54.394 7.01,54.394 8.204,53.2 8.776,53.2 12.4,49.576 12.4,46.1 17.6,40.9 17.6,37.5 v1(25.158,29.942)
SWO: J1.12 U1.55 | length 47.7
  Top Layer w0.25: v1(33.065,29.161) 33.132,29.094 33.132,28.847 33.15,28.829 33.15,27.638 33.225,27.563 33.225,26.775 U1.55
  Bottom Layer w0.25: J1.12 5.694,59.474 5.694,58.49 4.5,57.296 4.5,56.3 5.14,55.66 8.94,55.66 13.8,50.8 13.8,48.2 32.772,29.228 32.998,29.228 v1(33.065,29.161)
UART1_RX: J10.3 U1.43 | length 26.3
  Top Layer w0.25: J10.3 23.7,10.5 23.7,29.368 25.582,31.25 U1.43
UART1_TX: J10.4 U1.42 | length 28.5
  Top Layer w0.25: J10.4 22.7,12.5 22.7,29.6 24.85,31.75 U1.42
UART2_RX: J9.3 U1.17 | length 20
  Top Layer w0.25: U1.17 38.95,38.25 40.7,40 40.7,50.16 J9.3
UART2_TX: J9.4 U1.16 | length 18.9
  Top Layer w0.25: U1.16 42.219,36.25 45.04,39.071 v1(45.04,48)
  Bottom Layer w0.25: v1(45.04,48) J9.4
UART4_RX: J7.2 U1.15 | length 38.9
  Top Layer w0.25: U1.15 44.895,35.75 v1(45.72,34.925)
  Bottom Layer w0.25: v1(45.72,34.925) 54.229,26.416 54.229,7.721 J7.2
UART4_TX: J7.1 U1.14 | length 43.3
  Top Layer w0.25: v1(38.354,35.306) 38.422,35.306 38.478,35.25 U1.14
  Bottom Layer w0.25: v1(38.354,35.306) 43.942,35.306 53,26.248 53,6.41 54.785,4.625 J7.1
UART5_RX: J1.7 U1.54 | length 37.9
  Top Layer w0.25: v1(32.52,28.575) 32.52,28.535 32.75,28.305 U1.54
  Bottom Layer w0.25: J1.7 13.2,49.76 13.2,47.895 v1(32.52,28.575)
UART5_TX: J1.5 U1.53 | length 53.2
  Top Layer w0.25: v1(31.877,28.067) 32.25,27.694 U1.53
  Bottom Layer w0.25: J1.5 7.216,50.836 5.436,50.836 3.8,49.2 3.8,42 10.88,34.92 10.948,34.92 11.592,34.276 21.865,24.003 29.972,24.003 30.861,24.892 30.861,27.559 31.369,28.067 v1(31.877,28.067)
pads on no net: FID1.0 FID2.0 FID3.0 FID4.0 FID5.0 FID6.0 J4.2 J7.3 J7.4 J7.5 J7.6 J8.1 J8.2 J8.3 J8.4 J9.0 J10. MH1.0 MH2.0 MH3.0 MH4.0 U1.2 U1.4 U1.9 U1.33 U1.44 U1.45 U1.61 U1.62 U3.9 U3.10 U3.11 U3.12 U3.13 U4.15
copper on no net: | length 52
  Top Layer w0.25: v1(29,64) v1(33,64) ; v1(30,1) v1(33,1) ; v1(36,1) v1(39,1) ; v1(37,64) v1(41,64) ; v1(45,64) v1(49,64) ; v1(56,52) v1(56,56) ; v1(56,60) v1(56,64)
  Bottom Layer w0.25: v1(27,1) v1(30,1) ; v1(33,1) v1(36,1) ; v1(33,64) v1(37,64) ; v1(41,64) v1(45,64) ; v1(49,64) v1(53,64) ; v1(56,48) v1(56,52) ; v1(56,56) v1(56,60)

## Polygon pours and split planes (outlines as drawn)
GND on Top Layer "NONET_L-01_P-001" (solid, remove dead copper, pour order 26): 49.1,0 49.1,11.5 49.1,0 57,0 57,65 0,65 0,33.5 0,22 0,0
+5V on Top Layer "+5V_L01_P022" (solid, pour order 22): 45.3,61.55 45.3,58.829 46.6,57.444 46.6,53.1 49.5,53.1 49.5,57.444 48.1,58.935 48.1,61.55
NetF2_2 on Top Layer "NETF2_2_L01_P011" (solid, pour order 11): 38.4,10.296 38.4,7.496 47.8,7.496 47.8,10.296
+12 on Top Layer "NONET_L-01_P-001" (solid, remove dead copper, pour order 25): 48,6.8 34.2,6.8 34.2,1.6 48,1.6
+3V3 on Layer 2 "NONET_L-01_P-001" (solid, remove dead copper, pour order 24): 37,0 37,8 39.5,8 39.5,12.5 30,12.5 30,9 7,9 7,39.1 20.5,39.1 20.5,45.7 0,45.7 0,65 57,65 57,0
+12 on Layer 2 "NONET_L-01_P-001" (solid, remove dead copper, pour order 15): 38.5,11.5 38.5,9 36,9 36,0.004 -0.004,0.004 -0.004,45.5 20.1,45.5 20.1,39.4 6,39.4 6,8.004 30.999,8.004 31.003,11.5
GND on Bottom Layer "GND_L04_P028" (solid, remove dead copper, pour order 28): 0,0 0,65 57,65 57,0
+12 on Bottom Layer "+12_L04_P001" (solid, pour order 1): 2.5,29.9 5,29.9 5,24.8 2.5,24.8
NetF1_2 on Bottom Layer "NETF1_2_L04_P027" (solid, pour order 27): 5.214,22.924 5.214,31.024 6.814,31.024 9.114,31.024 9.114,22.924
GND on Layer 1 "NONET_L-01_P-001" (solid, remove dead copper, pour order 19): 0,0 0,65 57,65 57,0

## Silkscreen, mask and mechanical layers (free items; w line width, h text height)
Top Overlay:
  text "5V" at 47.2,61.2 h1 r90
  text "GND" at 49.8,61.2 h1 r90
  text "3V3" at 52.3,61.2 h1 r90
  text "AUX2" at 9.694,59.329 h1
  text "SWO" at 1.9,59.2 h1
  text "AV3.31" at 27.8,57.6 h0.8
  text "NRST" at 0.9,56.7 h1
  text "DMB" at 16.2,56.6 h4
  text "AUX1" at 9.694,56.496 h1
  text "SOAR" at 16.2,55.3 h1
  text "UART_RX" at 9.694,54.061 h1
  text "SWDIO" at 0.3,54 h1
  text "UART_TX" at 9.694,51.718 h1
  text "GND" at 1.9,51.4 h1
  text "GND" at 9.694,48.967 h1
  text "SWCLK" at 0.3,48.9 h1
  text "3V3" at 1.9,46.4 h1
  text "5V" at 9.694,46.374 h1
  text "GND" at 34.218,16.125 h1
  text "3V3" at 34.2,13.7 h1
  text "RX" at 52.4,5.9 h1
  text "TX" at 52.4,2.9 h1
Bottom Overlay:
  text "RX" at 44.5,55.7 h1 r270
  text "5V" at 47.6,55.6 h1 r270
  text "TX" at 44.6,48.7 h1 r270
  text "GND" at 47.4,47.8 h1 r270
  text "GND" at 14.11,33.382 h1
  text "PROP1" at 6.61,31.982 h1
  text "PROP2" at 16.2,30.6 h1
  text "12V" at 6.6,29.3 h0.5
  text "PROP3" at 16.2,27.7 h1
  text "KLB_CTRL" at 19,25.067 h1
  text "GND" at 14.21,22.382 h1
  text "GND" at 6.61,20.982 h1
  text "GND" at 14.21,19.682 h1
  text "GND" at 6.61,18.182 h1
  text "SOLCTRL" at 18.1,16.9 h1
  text "LAUNCH" at 6.61,15.482 h1
  text "MAINBAT" at 18,14.2 h1
  text "TX" at 17.8,7.8 h1
  text "RX" at 25.3,7.8 h1
  text "GND" at 26,5.5 h1
  text "3V3" at 18.21,5.443 h1
Board Outline:
  lines w0.1: 0,0 0,65 57,65 57,0 0,0

## Dimensions
0,0 to 0,65 on Top 3D Body